# Altium PCB jlc.PcbDoc (part 2 of 2)
Units mil, origin at the board's own origin, x right, y up, seen from the top; angles counter-clockwise.
Board outline 4500 x 4820 mil, 2 copper layers (Top Layer, Bottom Layer); 196 components, 168 nets, 710 pads, 282 vias.
Unrouted connection lines stored in the file: 2.
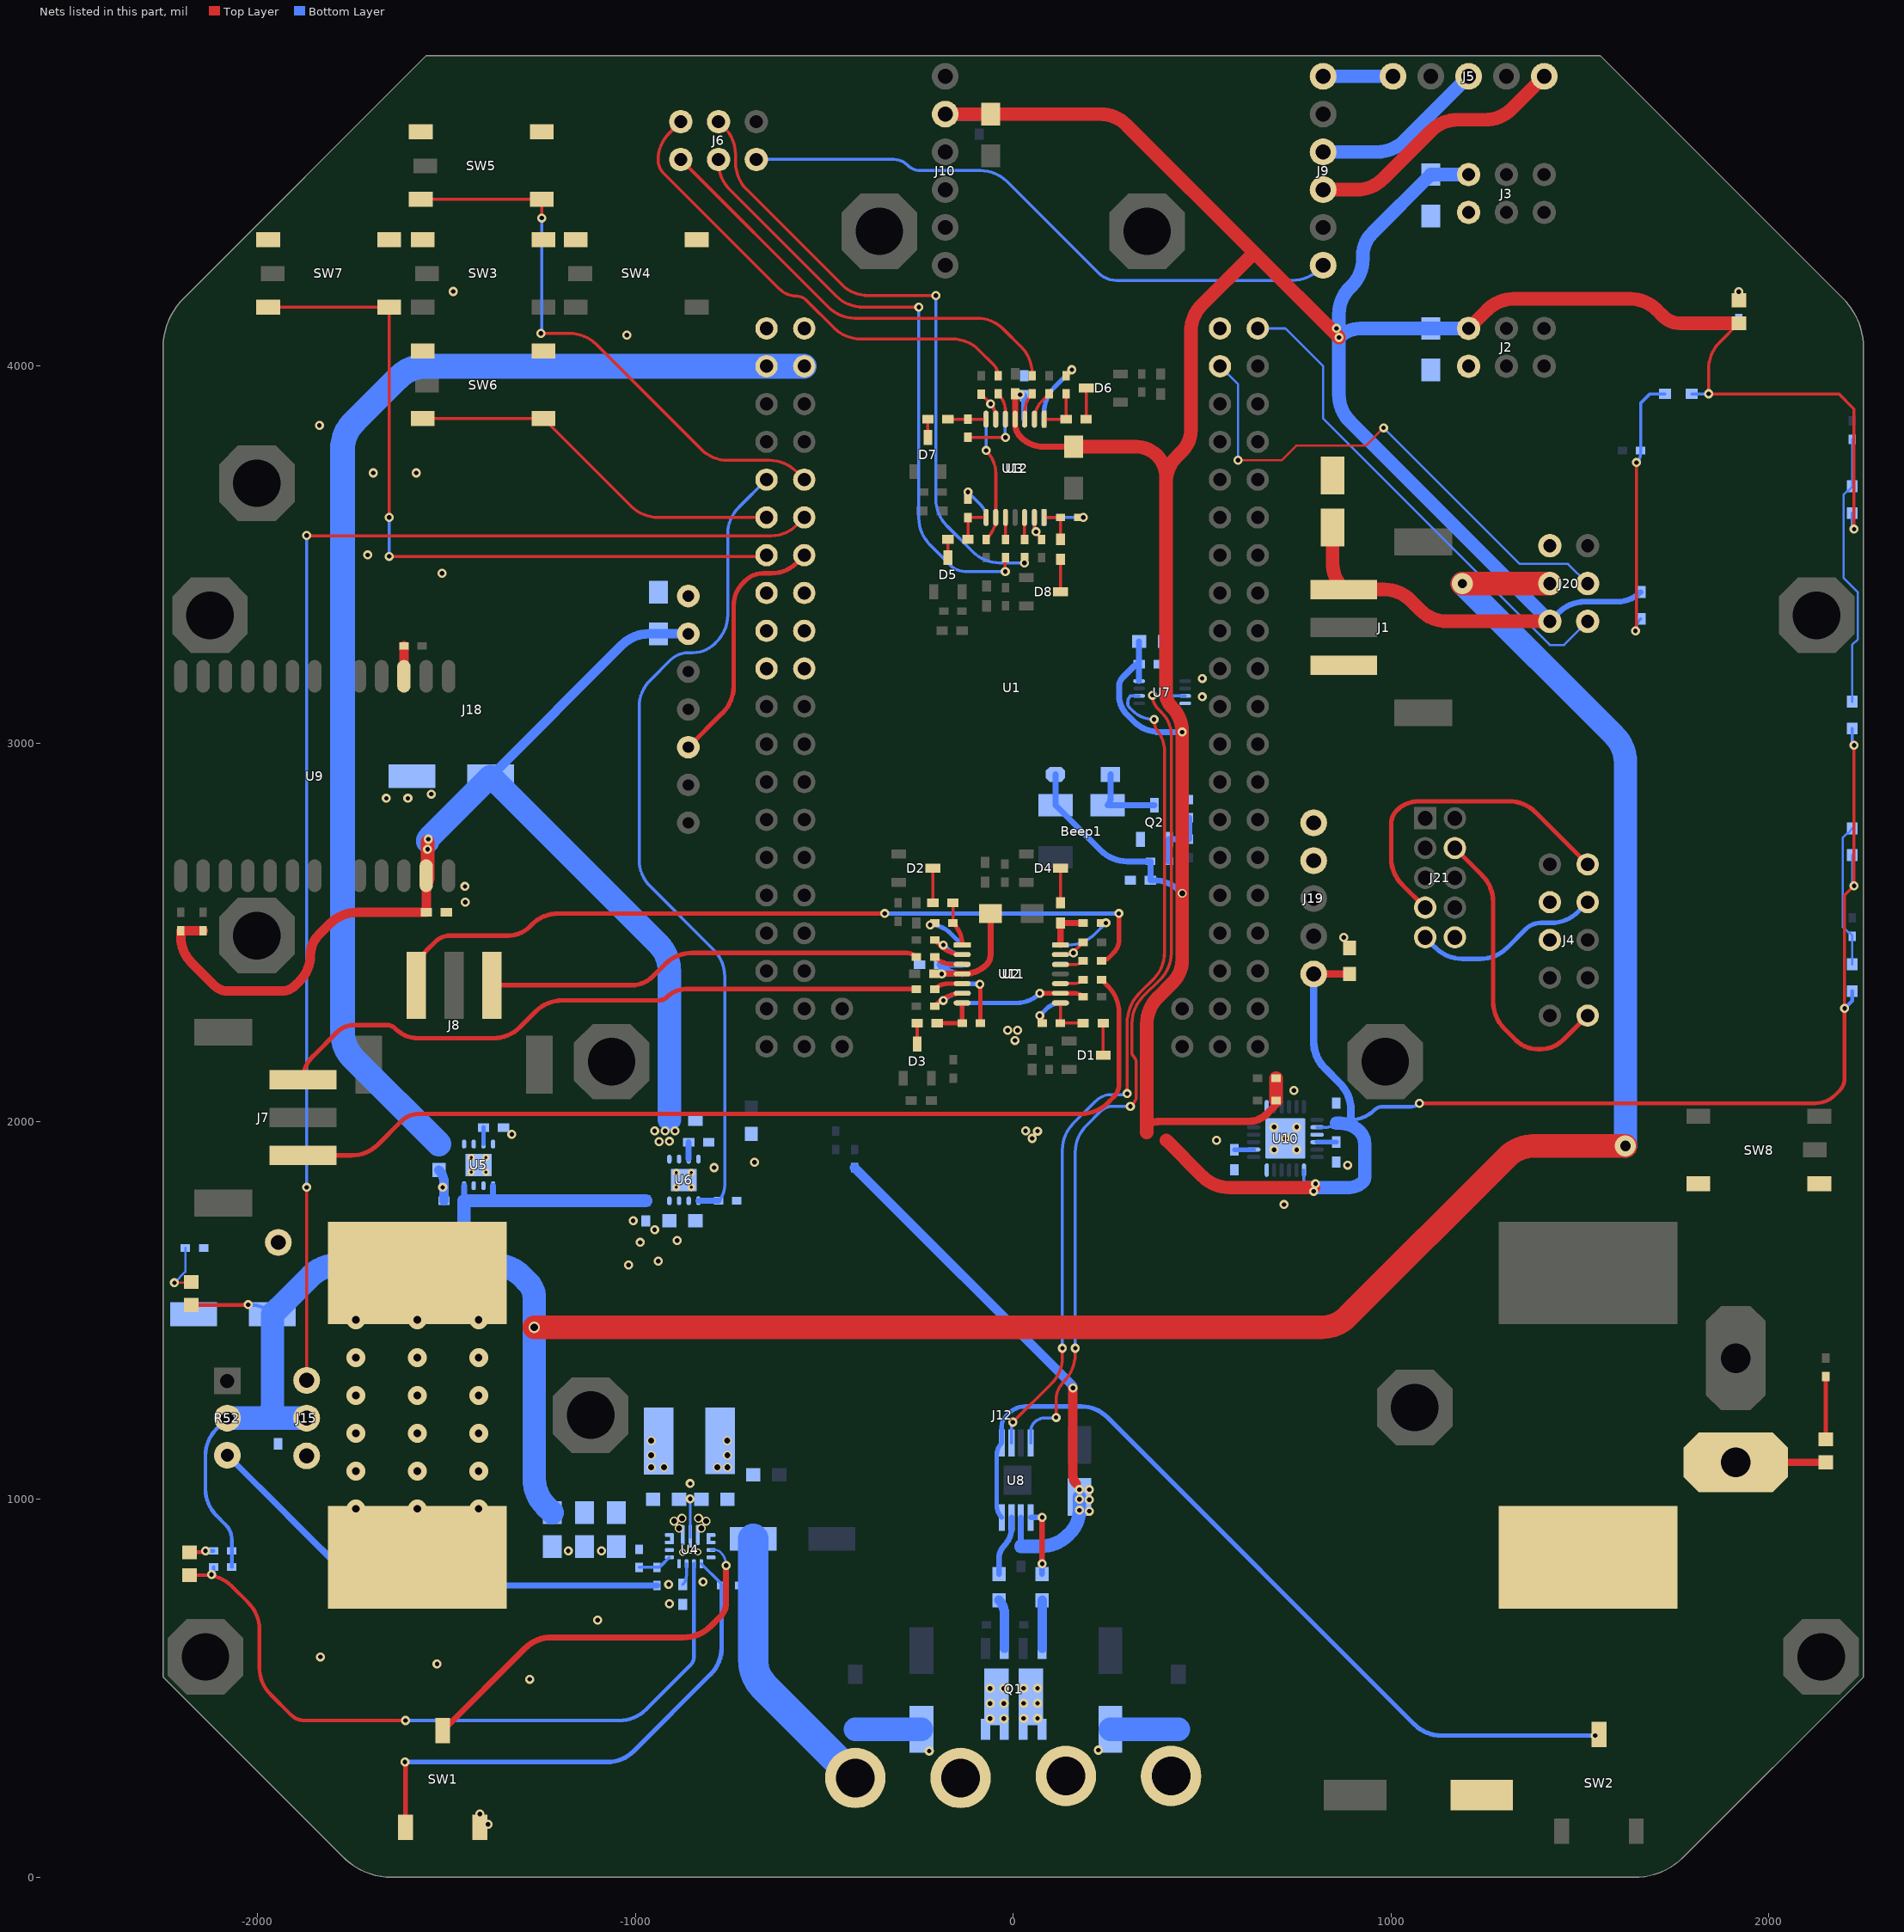
[diagram p2: the nets of this part, all layers, seen from the top]

## Via types
v1: diameter 24, hole 12, Top Layer to Bottom Layer, tented both sides, 113 vias
v2: diameter 24, hole 12, Top Layer to Bottom Layer, 95 vias
v3: diameter 25, hole 12, Top Layer to Bottom Layer, tented both sides, 26 vias
v4: diameter 50, hole 20, Top Layer to Bottom Layer, tented both sides, 21 vias
v5: diameter 23.62, hole 15.75, Top Layer to Bottom Layer, tented both sides, 14 vias
v6: diameter 145.67, hole 145.67, Top Layer to Bottom Layer, 4 vias
v7: diameter 18.62, hole 11.81, Top Layer to Bottom Layer, tented both sides, 3 vias
v8: diameter 62.99, hole 62.99, Top Layer to Bottom Layer, 1 vias
v9: diameter 23.62, hole 11.81, Top Layer to Bottom Layer, tented both sides, 1 vias
v10: diameter 56, hole 23.62, Top Layer to Bottom Layer, 1 vias
v11: diameter 56, hole 28, Top Layer to Bottom Layer, 1 vias
v12: diameter 30, hole 19.68, Top Layer to Bottom Layer, 1 vias
v13: diameter 23.62, hole 15.75, Top Layer to Bottom Layer, 1 vias

## Nets (pads, with @x,y where several pads share a name; then routed paths per layer and width w, separated by ;. In a path a pad name is that pad's centre, name@x,y a point inside that pad or via, vN(x,y) a via of type N, cw(c..) or ccw(c..) an arc to the next point about the centre after c; other vN are vias at no path point) (continued)
CR: R53.1 U1.9 U6.5 | length 2214.4
  Bottom Layer w8: R53.1@-780.14,1790 ccw(c-820.14,1829.99) -763.58,1829.99 -763.58,2383.23 ccw(c-863.58,2383.23) -792.87,2453.94 -960.71,2621.78 cw(c-890,2692.49) -990,2692.49 -990,3096.57 cw(c-890,3096.57) -960.71,3167.28 -907.79,3220.21 cw(c-860,3172.42) -860,3240 -848.07,3240 ccw(c-848.07,3322.13) -790,3264.05 -784.95,3269.1 ccw(c-855.66,3339.81) -755.66,3339.81 -755.66,3553.9 cw(c-655.66,3553.9) -726.37,3624.61 U1.9@-652.99,3697.99
  Bottom Layer w16: U6.5@-833.35,1790 R53.1@-780.14,1790
DGND: C1.2 C2.2 C3.2 C33.2 C35.2 C36.1 C37.1 C38.1 C39.1 C40.1 C48.2 C49.1 C50.2 C51.1 C52.1 C53.1 C54.1 C55.2 C56.1 C57.1 C58.1 J1.3 J2.1 J3.1 J4.3 J4.5 J18.1 J19.1 J19.2 J20.6 J21.10 Q2.2 R5.1 R10.1 R53.2 R54.1 R67.1 SW3.2 SW4.2 SW5.2 SW6.2 SW7.2 SW8.2 U1.1 U1.2 U1.83 U5.2 U5.4 U5.6 U5.7 U5.9 U5.V U6.2 U6.4 U6.6 U6.7 U6.9 U6.V U7.4 U10.1 U10.9 U10.18 U10.25 U11.3 U11.6 U12.3 U12.6 U12.11 | length 84.8
  Bottom Layer w25: C33.2@-1520,1871.12 cw(c-1552.87,1838.25) -1506.39,1838.25 C36.1@-1506.39,1790
  other v1: 716.21,1780 -1510,1825.43 -791.83,1877.72 885.1,1884.41 -684.82,1892 537.74,1950.07 -1327.02,1965.59 742.35,2081.89 874.69,2487 -1450,2580.08 -1451,2621.78 -1659.14,2854.94 -1602.2,2854.94 -1539.85,2866.03 500,3123.32 500,3171.92 -1511.55,3450 -1708.33,3498.57 -1693.95,3715.73 -1580.06,3715.73 -1836.3,3841.26 -1022.66,4080 -1481.85,4195.71
  other v3: 690,1925 750,1925 720,1955 690,1985 750,1985
EMC_40: J20.1 U1.84 | length 1327.2
  Bottom Layer w6: U1.84@647.01,4097.99 720,4097.99 820,3997.99 820,3859.23 1356.23,3323 1357.38,3323 1420,3260.38 1457.38,3260.38 J20.1@1520,3323
EMC_41: J20.3 U1.81 | length 1400.1
  Top Layer w6: v2(595,3749) 710,3749 748.91,3787.91 932.91,3787.91 v2(980,3835)
  Bottom Layer w6: U1.81@547.01,3997.99 595,3950 v2(595,3749) ; v2(980,3835) 1340,3475 1468,3475 J20.3@1520,3423
EN: SW1.2 U4.14 | length 1056.6
  Top Layer w16: SW1.2@-1510.06,387.93 -1292.28,605.71 cw(c-1221.57,535) -1221.57,635 -871.42,635 ccw(c-871.42,735) -800.71,664.29 -775,690 ccw(c-811.21,726.21) -760,726.21 v2(-760,825)
  Bottom Layer w6: U4.14@-799.88,866.14 -788.76,866.14 cw(c-788.76,846.41) -774.8,860.36 -774.54,860.09 cw(c-809.63,825) v2(-760,825)
FB: R47.2 R49.1 U4.5 | length 90.2
  Bottom Layer w8: R49.1@-990,820 R47.2@-942.93,820 ccw(c-942.93,835.34) -932.09,824.49 U4.5@-910.12,846.46
In1: J6.1 R27.2 | length 1181.4
  Top Layer w8: J6.1@-880,4545 -489.29,4154.29 ccw(c-418.58,4225) -418.58,4125 -96.42,4125 cw(c-96.42,4025) -25.71,4095.71 20.71,4049.29 cw(c-50,3978.58) 50,3978.58 R27.2@50,3973.2
In2: J6.2 R36.2 | length 1263.1
  Top Layer w8: -925.88,4509.46 cw(c-891.72,4543.58) -940,4543.58 cw(c-840,4543.58) -910.71,4614.29 J6.2@-880,4645 ; -925.86,4509.44 -618.81,4202.39 ccw(c-573.4,4247.81) -573.4,4183.58 cw(c-573.4,4147.81) -548.1,4173.1 -474.29,4099.29 ccw(c-403.58,4170) -403.58,4070 -161.42,4070 cw(c-161.42,3970) -90.71,4040.71 -51.88,4001.88 cw(c-80.56,3973.2) R36.2@-40,3973.2
In3: J6.3 R26.2 | length 1612.5
  Top Layer w8: J6.3@-780,4545 -780,4536.46 ccw(c-680,4536.46) -750.71,4465.75 -468.54,4183.58 ccw(c-397.83,4254.29) -397.83,4154.29 v2(-250,4154.29) ; v2(-21.18,3455) -21.18,3490.37 cw(c-19.16,3490.37) R26.2@-20.59,3491.8
  Bottom Layer w8: v2(-250,4154.29) -250,3596.42 ccw(c-150,3596.42) -220.71,3525.71 -165,3470 ccw(c-128.79,3506.21) -128.79,3455 v2(-21.18,3455)
In4: J6.4 R37.2 | length 1693.6
  Top Layer w8: J6.4@-780,4645 -764.29,4629.29 cw(c-835,4558.58) -735,4558.58 -735,4536.42 ccw(c-635,4536.42) -705.71,4465.71 -454.29,4214.29 ccw(c-383.58,4285) -383.58,4185 v2(-205,4185) ; v2(29.77,3477.59) R37.2@29.77,3491.8
  Bottom Layer w8: v2(-205,4185) -200,4185 ccw(c-187.93,4172.93) -205,4172.93 -205,3646.42 ccw(c-105,3646.42) -175.71,3575.71 -106.88,3506.88 ccw(c-36.17,3577.59) -36.17,3477.59 v2(29.77,3477.59)
In5: J8.1 R7.2 | length 1154.3
  Top Layer w12: J8.1@-1380,2360.31 -1009.99,2360.31 ccw(c-1009.99,2439.78) -953.8,2383.59 -921.1,2416.29 cw(c-850.39,2345.58) -850.39,2445.58 -281.68,2445.58 cw(c-281.68,2409.47) R7.2@-256.15,2435
In6: J7.3 R16.2 | length 1748.4
  Top Layer w12: J7.3@-1879.69,2109.99 cw(c-1792.63,2109.99) -1854.19,2171.55 -1789.72,2236.01 cw(c-1743.88,2190.16) -1743.88,2255 -1659.14,2255 cw(c-1659.14,2220.86) -1635,2245 ccw(c-1574.64,2305.36) -1574.64,2220 -1376.42,2220 ccw(c-1376.42,2320) -1305.71,2249.29 -1264.29,2290.71 cw(c-1193.58,2220) -1193.58,2320 -939.14,2320 ccw(c-939.14,2354.14) -915,2330 cw(c-866.72,2281.72) -866.72,2350 R16.2@-256.15,2350
In7: J7.1 R6.2 | length 2527.2
  Top Layer w12: J7.1@-1879.69,1910 -1751.42,1910 ccw(c-1751.42,2010) -1680.71,1939.29 -1620,2000 cw(c-1571.72,1951.72) -1571.72,2020 179.88,2020 ccw(c179.88,2120) 250.59,2049.29 265,2063.7 ccw(c228.79,2099.92) 280,2099.92 280,2286.78 ccw(c180,2286.78) 250.71,2357.49 R6.2@233.2,2375
In8: J8.3 R17.2 | length 2109.1
  Top Layer w12: J8.3@-1579.99,2360.31 -1579.99,2383.59 cw(c-1479.99,2383.59) -1550.7,2454.3 -1530,2475 cw(c-1489.98,2434.98) -1489.98,2491.57 -1336.55,2491.57 ccw(c-1336.55,2571.55) -1280,2515 -1274.29,2520.71 cw(c-1203.58,2450) -1203.58,2550 v2(-340,2550) ; R17.2@233.2,2425 ccw(c233.2,2452.12) 252.38,2432.94 265.01,2445.58 ccw(c228.82,2481.77) 280,2481.77 280,2548.4 ccw(c277.74,2548.4) v2(279.34,2550)
  Bottom Layer w12: v2(-340,2550) v2(279.34,2550)
In9: J6.5 J9.1 | length 1633.3
  Bottom Layer w8: J6.5@-680,4545 -316.21,4545 cw(c-316.21,4493.79) -280,4530 ccw(c-245.5,4564.5) -245.5,4515.71 -87.13,4515.71 cw(c-87.13,4415.71) -16.42,4486.42 225,4245 ccw(c273.28,4293.28) 273.28,4225 738.58,4225 ccw(c738.58,4325) 809.29,4254.29 J9.1@820,4265
In10: J5.5 J9.3 | length 696.4
  Top Layer w36: J9.3@820,4465 908.58,4465 ccw(c908.58,4565) 979.29,4494.29 1105.71,4620.71 cw(c1176.42,4550) 1176.42,4650 1248.58,4650 ccw(c1248.58,4750) 1319.29,4679.29 J5.5@1405,4765
In11: J5.3 J9.4 | length 463.5
  Bottom Layer w36: J9.4@820,4565 963.58,4565 ccw(c963.58,4665) 1034.29,4594.29 J5.3@1205,4765
In12: J5.1 J9.6 | length 185
  Bottom Layer w36: J9.6@820,4765 J5.1@1005,4765
L: U7.6 U8.2 | length 2239
  Top Layer w8: v2(-1.03,1204.29) 100.71,1306.03 ccw(c30,1376.74) 130,1376.74 v2(130,1400) ; v2(301.34,2073.58) 301.34,2261.11 cw(c401.34,2261.11) 303.11,2279.81 cw(c414.34,2259.92) 332.88,2338.23 cw(c414.34,2259.92) 334.44,2339.82 372.42,2377.8 ccw(c366.76,2383.46) 372.51,2377.9 ccw(c300.3,2447.08) 400.3,2447.08 400.3,2977.91 ccw(c305.43,2977.91) 386.4,3027.36 cw(c419.91,3060.88) 377.63,3039.46 cw(c419.91,3060.88) 372.51,3060.88 v2(372.51,3063.38)
  Bottom Layer w8: U8.2@-4.68,1148.99 -4.68,1199.51 cw(c3.04,1197.41) v2(-1.03,1204.29) ; v2(130,1400) 130,1924.4 cw(c230,1924.4) 159.29,1995.11 217.86,2053.68 cw(c259.29,2012.24) 259.29,2070.84 301.78,2070.84 cw(c309.34,2073.44) 301.34,2073.45 v2(301.34,2073.58) ; U7.6@332.95,3125.63 309.81,3125.63 ccw(c326.21,3109.22) 303.01,3109.22 303.01,3103.92 ccw(c311.01,3103.97) 303.96,3100.19 ccw(c354.35,3127.57) 305.97,3096.77 ccw(c354.35,3127.57) 307.14,3095.01 ccw(c313.73,3099.54) 308.08,3093.89 314.58,3087.38 ccw(c372.51,3145.32) v2(372.51,3063.38)
NetBeep1_2: Beep1.2 D18.1 Q2.3 | length 207.6
  Bottom Layer w16: D18.1@257.27,2917.99 257.27,2855.77 cw(c230.37,2855.77) Beep1.2@249.39,2836.74 Q2.3@373.61,2836.74
NetC10_1: C10.1 R11.1 U2.8 | length 113.8
  Top Layer w8: U2.8@124.68,2313.46 R11.1@124.68,2260 C10.1@185,2260
NetC10_2: C10.2 D1.3 | length 85
  Top Layer w8: D1.3@238,2175 C10.2@238,2260
NetC11_1: C11.1 R13.1 U2.1 | length 117.7
  Top Layer w8: C11.1@-159.75,2578 R13.1@-159.75,2525 R13.1@-158.78,2524.02
  Top Layer w12: R13.1@-158.78,2524.02 cw(c-215.8,2467) U2.1@-135.16,2467
NetC11_2: C11.2 D2.3 | length 92
  Top Layer w8: C11.2@-212.75,2578 D2.3@-212.75,2670
NetC14_1: C14.1 R22.1 U2.7 | length 119.6
  Top Layer w12: C14.1@-201.3,2260 R22.1@-135.16,2260 U2.7@-135.16,2313.46
NetC14_2: C14.2 D3.3 | length 55
  Top Layer w8: D3.3@-254.3,2205 C14.2@-254.3,2260
NetC15_1: C15.1 R23.1 U2.14 | length 118
  Top Layer w16: U2.14@125,2467 C15.1@125,2525 R23.1@185,2525
NetC15_2: C15.2 D4.3 | length 92
  Top Layer w8: C15.2@125,2578 D4.3@125,2670
NetC18_1: C18.1 R31.1 U3.8 | length 106
  Top Layer w8: C18.1@-120,3540 R31.1@-120,3597.68 -119.68,3597.99 U3.8@-71.77,3597.99
NetC18_2: C18.2 D5.3 | length 48.2
  Top Layer w8: D5.3@-173,3491.8 C18.2@-173,3540
NetC19_1: C19.1 R33.1 U3.1 | length 125.4
  Top Layer w8: U3.1@81.77,3857.83 C19.1@140,3857.84 R33.1@140,3925
NetC19_2: C19.2 D6.3 | length 82.2
  Top Layer w8: C19.2@193,3857.84 D6.3@193,3940
NetC22_1: C22.1 R42.1 U3.7 | length 101.2
  Top Layer w8: C22.1@-173,3857.84 U3.7@-71.77,3857.84
NetC22_2: C22.2 D7.3 | length 48.2
  Top Layer w8: D7.3@-226,3809.63 C22.2@-226,3857.84
NetC23_1: C23.1 R43.1 U3.14 | length 101.4
  Top Layer w8: U3.14@81.77,3597.68 124.68,3597.68 R43.1@125,3597.99 C23.1@125,3540
NetC23_2: C23.2 D8.3 | length 85.8
  Top Layer w8: D8.3@125,3401.25 C23.2@125,3487
NetC32_1: C32.1 U4.3 | length 57.6
  Bottom Layer w8: C32.1@-874.68,774.8 ccw(c-898.45,798.56) -864.84,798.56 U4.3@-864.84,829.72
NetC37_2: C37.2 U5.3 | length 43.7
  Bottom Layer w12: U5.3@-1402.2,1940.12 C37.2@-1402.2,1983.82
NetC38_2: C38.2 U6.3 | length 44.8
  Bottom Layer w16: U6.3@-858.94,1900.24 C38.2@-858.94,1945
NetC42_1: C42.1 D10.2 J13.1 Q1.6 | length 175
  Bottom Layer w62: D10.2@-417.99,391.49 C42.1@-242.99,391.49
  other v1: -222.49,334.28
  other v3: -61.51,420 -25,420 -61.51,460 -25,460 -61.51,500 -25,500
NetC47_1: C47.1 D11.2 J16.1 Q1.5 | length 180
  Bottom Layer w62: C47.1@257.01,391.49 D11.2@437.01,391.49
  other v1: 224.89,336.45
  other v3: 27.44,420.47 63.95,420.47 27.44,460.47 63.95,460.47 27.44,500.47 63.95,500.47
NetC50_1: C50.1 U10.20 | length 51.3
  Bottom Layer w12: C50.1@585,1925 634.99,1925 ccw(c634.99,1926.61) U10.20@636.13,1925.47
NetC53_2: C53.2 U10.10 | length 51.1
  Bottom Layer w12: U10.10@803.87,1945.16 C53.2@855,1945.16
NetD9_A: D9.A R50.2 | length 64.8
  Top Layer w10: D9.A@-2180,860 -2146.68,860 ccw(c-2146.68,872.57) v2(-2137.8,863.68)
  Bottom Layer w10: v2(-2137.8,863.68) R50.2@-2116.18,863.68
NetD9_K: D9.K R48.1 U4.2 | length 1925.8
  Top Layer w10: D9.K@-2180,799.37 -2138.71,799.37 cw(c-2138.71,699.37) -2068,770.08 -2024.29,726.37 cw(c-2095,655.66) -1995,655.66 -1995,554.65 ccw(c-1895,554.65) -1965.71,483.94 -1911.77,429.99 ccw(c-1875.56,466.21) -1875.56,415 v2(-1608.43,415)
  Bottom Layer w10: v1(-2121.77,801.09) ccw(c-2135.29,814.6) -2116.18,814.6 R48.1@-2116.18,820.99 ; v2(-1608.43,415) -1042.35,415 ccw(c-1042.35,515) -971.64,444.29 -854.76,561.16 ccw(c-877.95,584.35) -845.16,584.35 U4.2@-845.16,829.72
NetD12_K: D12.K D13.K R62.2 | length 383.3
  Bottom Layer w6: D12.K@2220,2415.43 R62.2@2220,2490 2220,2492.5 2213,2499.5 2210.5,2499.5 2195,2515 2195,2750.43 2207.25,2762.68 2209.22,2762.68 2220,2773.46 D13.K@2220,2775.43
NetD14_K: D14.K D15.K R63.2 | length 713.7
  Top Layer w8: v2@1649.02,3304.44 v2(1649.02,3743.23)
  Bottom Layer w8: v2(1646.46,3297.99) cw(c1690.02,3297.99) 1659.22,3328.79 D14.K@1660,3329.57 ; v2(1649.02,3743.23) cw(c1646.46,3735.65) v2@1650.54,3742.54 ; D15.K@1724.57,3925 1685,3925 1660,3900 R63.2@1660,3775 1660,3766.13 cw(c1625.86,3766.13) v2@1650.54,3742.54 ; v2@1650.54,3742.54 cw(c1625.86,3766.13) 1650,3741.99 1651.35,3741.99 ccw(c1646.46,3735.65) v2@1650.54,3742.54
NetD16_K: D16.K D17.K R64.2 | length 727
  Bottom Layer w6: D16.K@2220,3110.43 2220,3260.38 2234.98,3275.37 2234.98,3329.98 2235,3400 2197.22,3437.78 2197.22,3657.65 2207.25,3667.68 2209.22,3667.68 2220,3678.46 D17.K@2220,3680.43 R64.2@2220,3805
NetD19_K: D19.K R10.2 | length 22.6
  Bottom Layer w8: R10.2@1920,4172.43 v1(1920,4195)
NetD20_K: D20.K R12.2 | length 149.5
  Top Layer w6: v2(-2220,1573.05) -2179.7,1573.05 ccw(c-2179.7,1579.7) D20.K@-2175,1575
  Bottom Layer w6: v2(-2220,1573.05) -2190.93,1602.12 R12.2@-2190.93,1665
NetD21_K: D21.K R20.2 | length 166.8
  Top Layer w12: D21.K@2150,1158.62 R20.2@2150,1325.38
NetJ12_3: J12.3 J12.4
  other v4: -1740,975 -1577.2,975 -1415,975 -1740,1075 -1577.2,1075 -1415,1075 -1740,1175 -1577.2,1175 -1415,1175 -1740,1275 -1577.2,1275 -1415,1275 -1740,1375 -1577.2,1375 -1415,1375 -1740,1475 -1740,1475 -1577.2,1475 -1577.2,1475 -1415,1475 -1415,1475
NetL1_1: L1.1 U4.11
  other v5: -825.47,923.42 -812.68,942.53 -833.07,950 -783.16,1085 -756.47,1085 -756.47,1116.84 -756.96,1155
NetL1_2: L1.2 U4.9
  other v5: -884.53,923.42 -897.47,942.53 -876.93,950 -957.94,1085 -924.18,1085 -957.94,1116.84 -957.94,1155
NetQ1_2: Q1.2 R55.1 R56.2 | length 131.4
  Bottom Layer w25: R55.1@-37.99,732.99 cw(c-73,697.99) -23.49,697.99 R56.2@-23.49,667.99 Q1.2@-23.49,605.49
NetQ1_4: Q1.4 R57.1 R58.2 | length 127.5
  Bottom Layer w25: Q1.4@76.51,605.49 R58.2@76.51,667.99 R57.1@76.51,732.99
NetQ2_1: Q2.1 R65.1 R66.1 R67.2 | length 170
  Bottom Layer w16: R65.1@411.01,2687.99 Q2.1@411.01,2746.19 R66.1@466.01,2746.19 R67.2@466.01,2802.99
NetR6_1: R6.1 U2.10 | length 63.1
  Top Layer w8: U2.10@124.68,2364.64 159.98,2364.64 ccw(c159.98,2400.02) R6.1@185,2375
NetR7_1: R7.1 U2.3 | length 77.9
  Top Layer w12: R7.1@-207.95,2435 ccw(c-161.65,2481.31) -161.65,2415.82 U2.3@-135.16,2415.82
NetR16_1: R16.1 U2.5 | length 76.7
  Top Layer w12: R16.1@-207.95,2350 cw(c-172.61,2314.66) -172.61,2364.64 U2.5@-135.16,2364.64
NetR17_1: R17.1 U2.12 | length 62.7
  Top Layer w8: U2.12@125,2415 160.86,2415 ccw(c160.86,2449.14) R17.1@185,2425
NetR26_1: R26.1 U3.10 | length 58
  Top Layer w8: R26.1@-20.59,3540 U3.10@-20.59,3597.99
NetR27_1: R27.1 U3.3 | length 72.4
  Top Layer w8: U3.3@30.59,3857.84 30.59,3878.14 cw(c96.86,3878.14) R27.1@50,3925
NetR36_1: R36.1 U3.5 | length 72.4
  Top Layer w8: R36.1@-40,3925 cw(c-86.86,3878.14) -20.59,3878.14 U3.5@-20.59,3857.84
NetR37_1: R37.1 U3.12 | length 57.7
  Top Layer w8: R37.1@29.77,3540 U3.12@29.77,3597.68
NetR46_1: R46.1 SW1.1 U4.1 | length 1406.3
  Top Layer w12: v2(-1610,305) -1610,310 cw(c-1613.79,306.21) -1608.43,306.21 SW1.1@-1608.43,132.05
  Bottom Layer w8: U4.1@-825.47,829.72 -774.8,779.06 cw(c-782.06,771.8) R46.1@-771.8,771.8
  Bottom Layer w12: v2(-1610,305) -1074.64,305 ccw(c-1074.64,405) -1003.93,334.29 -801.09,537.13 ccw(c-871.8,607.84) -771.8,607.84 R46.1@-771.8,771.8
NetR47_1: R47.1 R52.3 | length 1740
  Bottom Layer w16: R47.1@-942.93,771.8 -1693.8,771.8 cw(c-1693.8,871.8) -1750.43,789.38 ; -1750.43,789.38 cw(c-1693.8,871.8) -1764.51,801.09 R52.3@-2080,1116.57 -1750.43,789.38
NetR55_2: R55.2 U8.7 | length 159
  Bottom Layer w15: R55.2@-37.99,801.99 -37.99,842.99 cw(c11.51,842.99) -23.49,877.99 ccw(c-68.92,923.42) -4.68,923.42 U8.7@-4.68,952.14
NetR57_2: R57.2 U8.5 | length 180.3
  Top Layer w15: v2(76.51,829.72) v2(76.51,952.14)
  Bottom Layer w15: U8.5@46.32,952.14 v2(76.51,952.14) ; R57.2@76.51,801.99 v2(76.51,829.72)
NetR61_2: R61.2 U9.24 | length 80.5
  Top Layer w25: U9.24@-1612.56,3177.56 -1612.56,3257.87 R61.2@-1612.44,3257.99
P0B_U_OPA43771: R22.2 U11.10 | length 158.8
  Top Layer w12: R22.2@-86.96,2260 -86.96,2357.29 ccw(c-97.35,2357.29) -90,2364.64 v2@-86.96,2361.59
  Bottom Layer w12: U11.10@-134.84,2364.41 -134.65,2364.22 -89.58,2364.22 v2@-86.96,2361.59
  other v2: -88.36,2363
P0B_U_OPA43772: R42.2 U12.10 | length 147.8
  Top Layer w8: R42.2@-120,3809.63 v2(-20.59,3809.63)
  Bottom Layer w8: U12.10@-21.18,3857.84 -21.18,3811.06 ccw(c-19.16,3811.06) v2(-20.59,3809.63)
P0W_U_OPA43771: R18.1 U2.6 U11.9 | length 138.1
  Top Layer w12: R18.1@-207.95,2305 -201.3,2311.65 cw(c-135.16,2245.5) U2.6@-135.16,2339.05
  Bottom Layer w12: v1(-185,2320) cw(c-139.57,2274.57) -139.57,2338.82 U11.9@-134.84,2338.82
P0W_U_OPA43772: R38.1 U3.6 U12.9 | length 123.5
  Top Layer w8: R38.1@-85,3924.4 -65.8,3905.2 cw(c-113.17,3857.84) U3.6@-46.18,3857.84
  Bottom Layer w8: v2(-60,3897.99) cw(c-91.94,3866.06) -46.77,3866.06 U12.9@-46.77,3857.84
P1B_U_OPA43771: R11.2 U11.7 | length 88.2
  Top Layer w12: v2(70,2280) cw(c54.34,2264.34) 76.49,2264.34 R11.2@76.49,2260
  Bottom Layer w12: v2(70,2280) 87.83,2297.83 cw(c125,2260.67) U11.7@125,2313.23
P1B_U_OPA43772: R31.2 U12.7 | length 103.9
  Top Layer w8: R31.2@-120,3645.88 v2(-120,3665)
  Bottom Layer w8: v2(-120,3665) -86.06,3631.06 cw(c-119.13,3597.99) U12.7@-72.36,3597.99
P1W_U_OPA43771: R8.1 U2.9 U11.8 | length 329
  Top Layer w12: v2(70,2338.82) 163.71,2338.82 cw(c163.71,2308.71) R8.1@185,2330
  Bottom Layer w12: U11.8@-134.84,2313.23 8.22,2313.23 ccw(c8.22,2400.6) v2(70,2338.82)
P1W_U_OPA43772: R28.1 U3.9 U12.8 | length 332.1
  Top Layer w8: R28.1@-71.77,3540 -69.09,3542.68 ccw(c-124.4,3597.99) U3.9@-46.18,3597.99 -46.18,3713.22 ccw(c-133.55,3713.22) v2(-71.77,3775)
  Bottom Layer w8: U12.8@-72.36,3857.84 cw(c-73.79,3856.41) -71.77,3856.41 v2(-71.77,3775)
P2B_U_OPA43771: R9.1 U2.2 U11.13 | length 150.5
  Top Layer w12: R9.1@-207.95,2480 -201.6,2473.65 ccw(c-185,2490.25) v2(-185,2466.77) ; v2@-193.55,2465.59 ccw(c-135.16,2523.98) U2.2@-135.16,2441.41
  Bottom Layer w12: v2(-185,2466.77) -176.78,2458.55 ccw(c-134.84,2500.49) U11.13@-134.84,2441.18
P2B_U_OPA43772: R29.1 U3.2 U12.13 | length 80.3
  Top Layer w8: U3.2@56.18,3857.84 cw(c124.61,3857.84) 76.22,3906.22 R29.1@95,3925
P2W_U_OPA43771: R13.2 U11.14 | length 103.6
  Bottom Layer w12: v2(-220,2520) cw(c-220,2443.68) -166.03,2497.65 U11.14@-135.16,2466.77
P2W_U_OPA43772: R33.2 U12.14 | length 178.6
  Top Layer w12: R33.2@140,3973.2 155,3988.2 v2(155,3988.72)
  Bottom Layer w12: U12.14@81.18,3858.15 81.18,3873.48 cw(c181.18,3873.48) 110.47,3944.19 v2(155,3988.72)
P3B_U_OPA43771: R19.1 U2.13 U11.2 | length 113.7
  Top Layer w8: U2.13@124.68,2441.41 ccw(c124.68,2509.19) 172.61,2461.26 R19.1@185,2473.65
  Bottom Layer w8: U11.2@125,2441.18 154.83,2441.18 ccw(c154.83,2449.94) 161.02,2443.75 ccw(c166.67,2449.41) v2@166.67,2441.41
  other v2: 159.19,2445.58
P3B_U_OPA43772: R39.1 U3.13 U12.2 | length 102.2
  Top Layer w8: U3.13@56.18,3597.99 56.18,3585.43 ccw(c120.43,3585.43) R39.1@75,3540
  Bottom Layer w8: U12.2@55.59,3597.99 55.59,3570.65 ccw(c70.65,3570.65) v2(60,3560)
P3W_U_OPA43771: R23.2 U11.1 | length 151.6
  Top Layer w8: R23.2@233.2,2525 v2(245,2525)
  Bottom Layer w8: U11.1@125,2466.77 145.35,2466.77 ccw(c145.35,2566.77) 216.06,2496.06 v2(245,2525)
P3W_U_OPA43772: R43.2 U12.1 | length 103.8
  Bottom Layer w8: U12.1@81.18,3597.99 v2(185,3597.99)
PGND: C26.2 C28.1 C29.1 C30.1 C31.1 C32.2 C34.2 C43.2 C44.1 Designator146.1 J15.3 R12.1 R49.2 R51.2 R54.2 SW1.3 U4.4 U4.6 U4.10 U4.15 | length 91.8
  Bottom Layer w6: v1@-855.79,990.25 cw(c-857.69,988.34) -855,988.34 U4.10@-855,898.62
  other v1: -1390,140 -1411.58,167.68 -1280,523.97 -1525,564.29 -1833.82,583.19 -1100,680.63 -910.12,723.6 -911.92,775 -820.85,781.57 -1177.64,863.68 -1090,863.68 -855,1001.19 -855,1041.83 -1017.81,1620 -939.41,1630.37 -987.42,1680 -889.41,1685 -949.13,1713.5 -1006,1737
  other v7: -875,860.09 -835,860.75 -855,866.14
POR_B: J4.10 J21.4 | length 796
  Top Layer w12: J21.4@1168.74,2723.22 1240.71,2651.25 cw(c1170,2580.54) 1270,2580.54 1270,2316.42 ccw(c1370,2316.42) 1299.29,2245.71 1330,2215 ccw(c1387.94,2272.94) 1387.94,2191 1395,2191 ccw(c1395,2277.91) 1456.46,2216.46 J4.10@1520,2280